# Altium PCB FPGA_SHIELD_MARK1_Single_Side.PcbDoc (part 1 of 3) (continued)
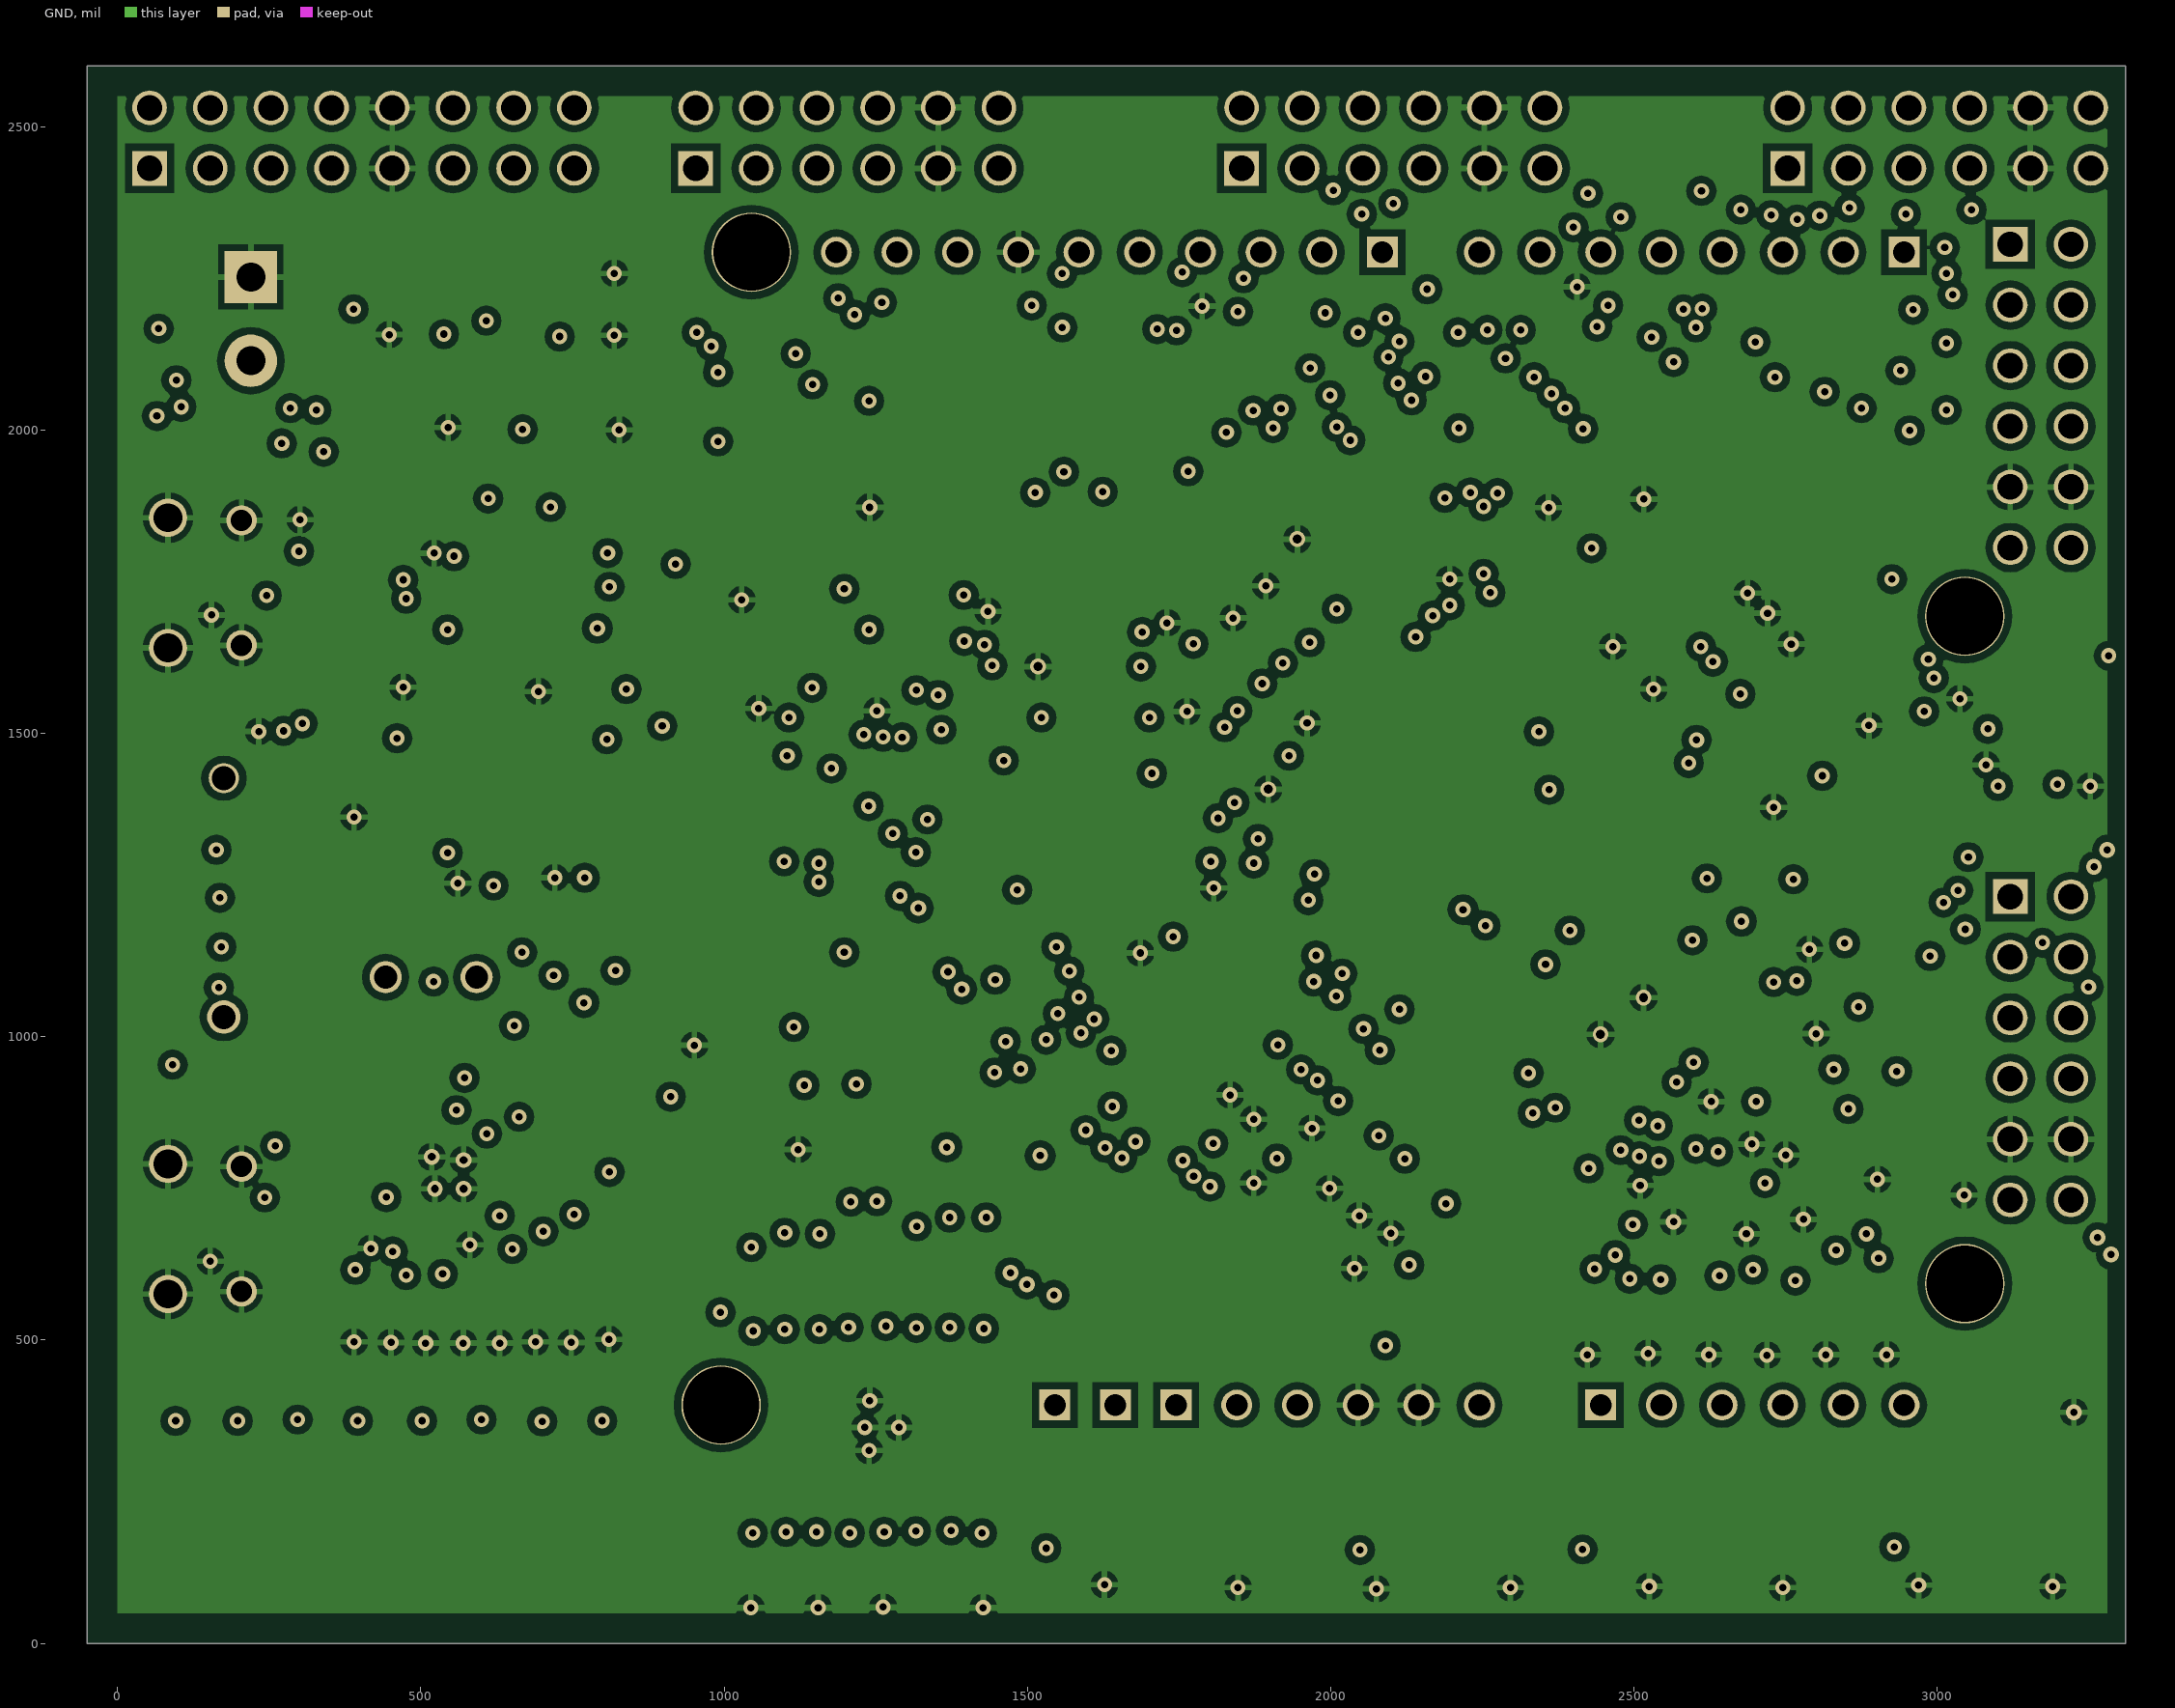
[diagram p3: GND]
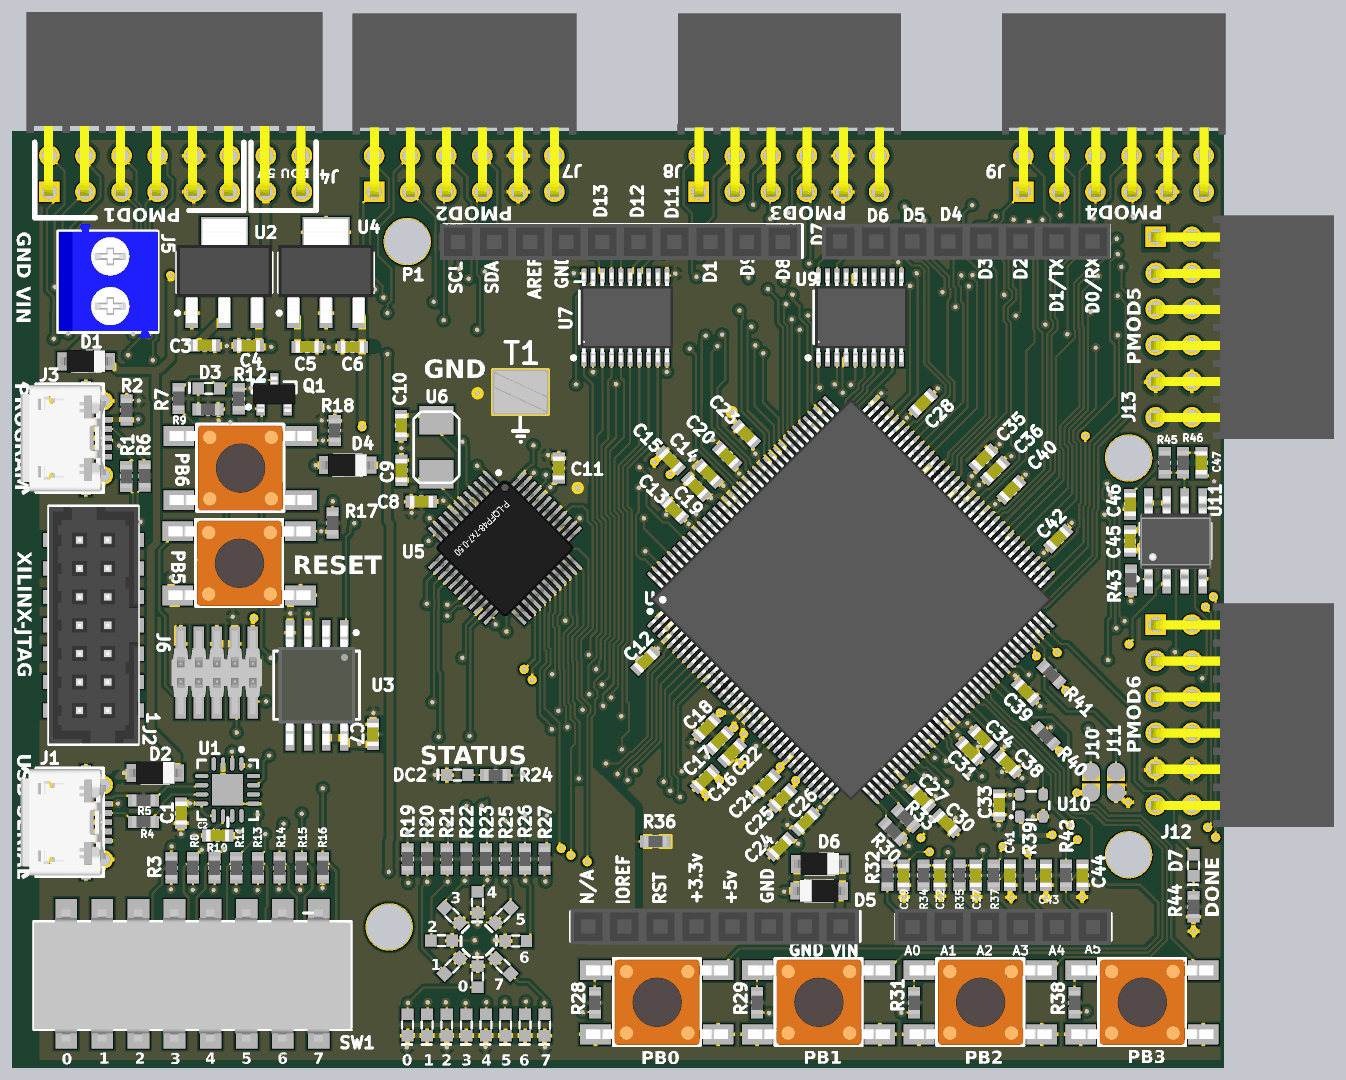
[diagram p6: 3D render of the assembled board from above, using the file's embedded part models]

## Layer stack, top to bottom
Top Layer: signal copper 1.4
Dielectric: core 12.6, FR-4, Dk 4.8
VCC: signal copper 1.4
Dielectric: prepreg 12.6, FR-4, Dk 4.8
GND: signal copper 1.4
Dielectric: core 12.6, FR-4, Dk 4.8
Bottom Layer: signal copper 1.4

## Board outline
-50,0 -50,2600 3310,2600 3310,0

## Design rules (kind name [scope] priority, off if disabled: settings)
Clearance POLY_TO_POLY [inpoly vs inpoly] p1: gap=15
Clearance Poly_TO_ALL [InPoly] p2: gap=12
Clearance [All] p3: gap=6
ComponentClearance LEDS+Mounts [(HasFootprint('LTM-450')) vs (HasFootprint('LED T1-3/4 GREEN - 0.45" STANDOFF') OR HasFootprint('LED T1-3/4 RED -  0.45" STANDOFF'))] p1: gap=0 collisioncheckmode=3 verticalgap=0 showdistances=FALSE
ComponentClearance ComponentClearance_1 [OnLayer('Mechanical 1')] p2: gap=0 collisioncheckmode=3 verticalgap=0 showdistances=FALSE
ComponentClearance [All] p3: gap=10 collisioncheckmode=3 verticalgap=10 showdistances=FALSE
Height [All] p1: minheight=0 maxheight=1500 prefheight=500
HoleSize [All] p1: absolutevalues=TRUE maxlimit=250 minlimit=1 maxpercent=80.000 minpercent=20.000
HoleToHoleClearance [All] p1: gap=2 allowstackedmicrovias=TRUE
MinimumSolderMaskSliver [All] p1: minsoldermaskwidth=0
PlaneClearance [All] p1: clearance=10
PlaneConnect [All] p1: planeconnectstyle=Direct reliefexpansion=20 reliefentries=4 reliefconductorwidth=10 reliefairgap=10
PolygonConnect [All] p1: connectstyle=Relief reliefconductorwidth=10 reliefentries=4 polygonreliefangle="90 Angle" airgapwidth=10
RoutingVias [All] p1: holewidth=12 width=25 viastyle="Through Hole" minholewidth=12 minwidth=25 maxholewidth=25 maxwidth=40
SilkToSilkClearance [All] p1: silktosilkclearance=0
SilkscreenOverComponentPads [All] p1: minsilkscreentomaskgap=0
SolderMaskExpansion vias [isvia and not(locked)] p1: expansion=-100
SolderMaskExpansion [All] p2: expansion=4
Width [All] p1: maxlimit=20 minlimit=6 preferedwidth=14
19 further rules are at their usual default settings.

## Classes and differential pairs
net class FPGA_CFG: FPGA_MODE0 FPGA_MODE1 FPGA_SLAVE_CFG_CCLK FPGA_SLAVE_CFG_DIN FPGA_SUSPEND SLAVE_CFG_DONE SLAVE_CFG_INIT_B SLAVE_CFG_PROG_B
net class USB: USB_DM USB_DP
net class JTAG: TCK TDI TDO TMS
net class PBUS: ADD/D\A\T\A\ PARD PAWR PD0 PD1 PD2 PD3 PD4 PD5 PD6 PD7

## Components (designator, comment, footprint, x,y, rotation, side; value= is the part's Value field where it differs from the comment)
C1 "0.1uF" C0603 418,708 r90 top
C2 "0.1uF" C0603 520,646 r180 top
C3 "0.1uF" C0603 484,2005 r180 top
C4 "0.1uF" C0603 605,2005 r0 top
C5 "4.7uF" C0603 768,2001 r180 top
C6 "4.7uF" C0603 893,2001 r0 top
C7 "0.1uF" C0603 950,927 r270 top
C8 "0.1uF" C0603 1084,1572 r0 top
C9 "18pF" C0603 1029,1659 r270 top
C10 "18pF" C0603 1028,1783 r90 top
C11 "0.1uF" C0603 1465,1665 r270 top
C12 "4.7uF" C0603 1705,1130 r45 top
C13 "4.7uF" C0603 1785,1550 r315 top
C14 "0.47uF" C0603 1880,1650 r315 top
C15 "4.7uF" C0603 1775.23,1686.62 r315 top
C16 "4.7uF" C0603 1870,803 r45 top
C17 "0.47uF" C0603 1910,910 r45 top
C18 "0.47uF" C0603 1875,945 r45 top
C19 "0.47uF" C0603 1846,1613 r315 top
C20 "0.47uF" C0603 1932,1698 r315 top
C21 "4.7uF" C0603 2040,790 r45 top
C22 "4.7uF" C0603 1945,876 r45 top
C23 "0.47uF" C0603 1984,1759 r315 top
C24 "4.7uF" C0603 2080,615 r45 top
C25 "0.47uF" C0603 2085,750 r45 top
C26 "4.7uF" C0603 2150,685 r45 top
C27 "0.47uF" C0603 2470,750 r135 top
C28 "4.7uF" C0603 2475,1845 r225 top
C29 "0.1uF" C0603 2421,536 r270 top
C30 "4.7uF" C0603 2540,680 r135 top
C31 "4.7uF" C0603 2605,880 r135 top
C32 "0.1uF" C0603 2521,536 r270 top
C33 "0.1uF" C0603 2686,731 r90 top
C34 "4.7uF" C0603 2640,915 r135 top
C35 "0.47uF" C0603 2643,1692 r225 top
C36 "4.7uF" C0603 2675,1658 r225 top
C37 "0.1uF" C0603 2621,536 r270 top
C38 "4.7uF" C0603 2710,845 r135 top
C39 "0.47uF" C0603 2760,1045 r135 top
C40 "0.47uF" C0603 2720,1605 r225 top
C41 "0.1uF" C0603 2716,536 r270 top
C42 "0.47uF" C0603 2850,1470 r225 top
C43 "0.1uF" C0603 2816,536 r270 top
C44 "0.1uF" C0603 2917,536 r270 top
C45 "0.1uF" C0603 3049,1463 r270 top
C46 "0.1uF" C0603 3049,1564 r90 top
C47 "0.1uF" C0603 3247,1680 r270 top
D1 "RB161M-20TR" SOD-123 155,1961 r270 top
D2 "RB161M-20TR" SOD-123 347,820 r270 top
D3 "LED 1.6X0.8MM 570NM GRN CLR SMD" "LED_0603 - GREEN" 495,1886 r180 top
D4 "RB161M-20TR" SOD-123 880,1673 r270 top
D5 "RB161M-20TR" SOD-123 2187,493 r90 top
D6 "RB161M-20TR" SOD-123 2189,568 r270 top
D7 "APT1608CGCK" "LED_0603 - GREEN" 3225,564 r270 top
DC1 "LED 1.6X0.8MM 570NM GRN CLR SMD" "LED_0603 - GREEN" 1046,121 r270 top
DC2 "LED 1.6X0.8MM 570NM GRN CLR SMD" "LED_0603 - GREEN" 1184,814 r180 top
DC3 "LED 1.6X0.8MM 570NM GRN CLR SMD" "LED_0603 - GREEN" 1100.29,121 r270 top
DC4 "LED 1.6X0.8MM 570NM GRN CLR SMD" "LED_0603 - GREEN" 1154.57,121 r270 top
DC5 "LED 1.6X0.8MM 570NM GRN CLR SMD" "LED_0603 - GREEN" 1169.29,284.29 r45 top
DC6 "LED 1.6X0.8MM 570NM GRN CLR SMD" "LED_0603 - GREEN" 1140,355 r0 top
DC7 "LED 1.6X0.8MM 570NM GRN CLR SMD" "LED_0603 - GREEN" 1169.29,425.71 r315 top
DC8 "LED 1.6X0.8MM 570NM GRN CLR SMD" "LED_0603 - GREEN" 1208.86,121 r270 top
DC9 "LED 1.6X0.8MM 570NM GRN CLR SMD" "LED_0603 - GREEN" 1263.14,121 r270 top
DC10 "LED 1.6X0.8MM 570NM GRN CLR SMD" "LED_0603 - GREEN" 1240,255 r90 top
DC11 "LED 1.6X0.8MM 570NM GRN CLR SMD" "LED_0603 - GREEN" 1240,461 r270 top
DC12 "LED 1.6X0.8MM 570NM GRN CLR SMD" "LED_0603 - GREEN" 1317.43,121 r270 top
DC13 "LED 1.6X0.8MM 570NM GRN CLR SMD" "LED_0603 - GREEN" 1371.71,121 r270 top
DC14 "LED 1.6X0.8MM 570NM GRN CLR SMD" "LED_0603 - GREEN" 1310.71,284.29 r135 top
DC15 "LED 1.6X0.8MM 570NM GRN CLR SMD" "LED_0603 - GREEN" 1346,354 r180 top
DC16 "LED 1.6X0.8MM 570NM GRN CLR SMD" "LED_0603 - GREEN" 1310.71,425.71 r225 top
DC17 "LED 1.6X0.8MM 570NM GRN CLR SMD" "LED_0603 - GREEN" 1426,121 r270 top
J1 "USB Micro B" "10103594-0001LF - TESTING SMALLER THRU" 140,683 r0 top locked
J2 "87832-1420" 87832-1420 260,993 r90 top locked
J3 "USB Micro B" "10103594-0001LF - TESTING SMALLER THRU" 140,1748 r0 top locked
J4 "SSQ-108-02-G-D-RA-005" "PMOD HEADER8 - SSQ-108-02-G-D-RA" 403,2481 r0 top
J5 "1776275-2" 1776275-2 220,2183 r270 top
J6 "01R3656" FTSH-105-04-F-DV 617,1178 r180 top
J7 "SSQ-106-02-G-D-RA-005" "PMOD HEADER - SSQ-106-02-G-D-RA" 1203,2481 r0 top
J8 "SSQ-106-02-G-D-RA-005" "PMOD HEADER - SSQ-106-02-G-D-RA" 2103,2481 r0 top
J9 "SSQ-106-02-G-D-RA-005" "PMOD HEADER - SSQ-106-02-G-D-RA" 3003,2481 r0 top locked
J10 "Solder Jumper" SOLDER_JUMPER 2940,823 r270 top
J11 "Solder Jumper" SOLDER_JUMPER 3010,823 r270 top
J12 "SSQ-106-02-G-D-RA-005" "PMOD HEADER - SSQ-106-02-G-D-RA" 3170,981 r270 top
J13 "SSQ-106-02-G-D-RA-005" "PMOD HEADER - SSQ-106-02-G-D-RA" 3170,2056 r270 top locked
P1 "Arduino Uno Header" "ARDUINO SHIELD - SMALLER THRU" 1545,393 r90 top locked
PB0 "FSM4JSMA" FSM4JSMA 1737,184 r90 top
PB1 "FSM4JSMA" FSM4JSMA 2185.33,184 r90 top
PB2 "FSM4JSMA" FSM4JSMA 2633.67,184 r90 top
PB3 "FSM4JSMA" FSM4JSMA 3082,184 r90 top
PB5 "FSM4JSMA" FSM4JSMA 579,1401 r90 top
PB6 "FSM4JSMA" FSM4JSMA 582,1665 r90 top
Q1 "NDS352AP" SOT-23 676,1870 r90 top
R1 "33" R0603 266,1642 r270 top
R2 "10k" R0603 267,1826 r270 top
R3 "10k" R0603 391,557 r90 top
R4 "33" R0603 314,684 r0 top
R5 "33" R0603 314,744 r0 top
R6 "33" R0603 317,1643 r270 top
R7 "1.5k" R0603 411,1858 r270 top
R8 "10k" R0603 451,557 r90 top
R9 "200" R0603 493,1828 r180 top
R10 "10k" R0603 511,557 r90 top
R11 "10k" R0603 571,557 r90 top
R12 "10k" R0603 578,1857 r90 top
R13 "10k" R0603 631,557 r90 top
R14 "10k" R0603 691,557 r90 top
R15 "10k" R0603 751,557 r90 top
R16 "10k" R0603 811,557 r90 top
R17 "10k" R0603 838,1513 r270 top
R18 "10k" R0603 844,1769 r270 top
R19 "200" R0603 1046,581 r90 top
R20 "200" R0603 1100.29,581 r90 top
R21 "200" R0603 1154.57,581 r90 top
R22 "200" R0603 1208.86,581 r90 top
R23 "200" R0603 1263.14,581 r90 top
R24 "200" R0603 1290,814 r180 top
R25 "200" R0603 1317.43,581 r90 top
R26 "200" R0603 1371.71,581 r90 top
R27 "200" R0603 1426,581 r90 top
R28 "10k" R0603 1565,183 r270 top
R29 "10k" R0603 2015,183 r270 top
R30 "10k" R0603 2392,658 r315 top
R31 "10k" R0603 2450,183 r270 top
R32 "10k" R0603 2376,536 r270 top
R33 "10k" R0603 2427.06,694.48 r315 top
R34 "10k" R0603 2476,536 r270 top
R35 "10k" R0603 2576,536 r270 top
R36 "0" R0603 1733.53,630 r180 top
R37 "200" R0603 2671,536 r90 top
R38 "10k" R0603 2895,183 r270 top
R39 "200" R0603 2771,536 r90 top
R40 "10k" R0603 2815,923 r135 top
R41 "10k" R0603 2831,1093 r315 top
R42 "200" R0603 2871,536 r90 top
R43 "10k" R0603 3051,1354 r270 top
R44 "200" R0603 3225,449 r270 top
R45 "200" R0603 3145,1680 r270 top
R46 "200" R0603 3196,1680 r90 top
SW1 "ADE08S04" ADE08S04 100,98 r0 top
T1 "PC TEST POINT COMPACT SMT" SMT_TEST 1359,1875.72 r0 top
U1 "FT230XQ" FT230x-QFN65P400X400X80-16L 547,773 r270 top
U2 "LD1117S33CTR" SOT223 538,2207 r90 top
U3 "M25PE16" SOIC127P830X200-8L 795,1063 r270 top
U4 "MCP1826S-1202E/DB" SOT223 820,2207 r90 top
U5 "LPC1343FBD48,151" TSQFP50P900X900X145-48L 1316,1444 r315 top
U6 "12MHz" ABM3 1126,1644 r90 top
U7 "TXB0108PWR" TSSOP20 1650,2083 r90 top
U8 "XC6SLX9-3TQG144C" TQ144_L 2275,1300 r45 top locked
U9 "TXB0108PWR" TSSOP20 2300,2083 r90 top
U10 "ASDMB-50.000MHZ-LC-T" "ASDMB - osc" 2743,699 r0 top
U11 "M25PE40-VMN6TP" "SOIC 8" 3175,1463 r0 top

## Footprints (in the part's own frame and the unit in brackets; to place one, negate y for a bottom-side part, rotate by r counter-clockwise, add the part's x,y. Pads: shape width x height; smd on the part's side, far side on the other; paste and mask are expansions set on the pad)
87832-1420 [mm] "CONN HEADER 14POS 2MM VERT SMD"
  rect 1x2.8 smd: 1(0,0) 2(0,4.3) 3(2,0) 4(2,4.3) 5(4,0) 6(4,4.3) 7(6,0) 8(6,4.3) 9(8,0) 10(8,4.3) 11(10,0) 12(10,4.3) 13(12,0) 14(12,4.3)
  round 1.397 hole 1: M1(1,2.15)
  round 1.27 hole 1: M2(11,2.15)
  silkscreen extent -2.4,-1 14.4,5.3, body extent -2.32,-1 14.32,5.3, height 7.58
1776275-2 [mm] "TE Connectivity 2-pin 3.5mm screw terminal"
  rect 2.2x2.2 hole 1.2: 1(-1.75,0)
  round 2.2 hole 1.2: 2(1.75,0)
  silkscreen extent -3.51,-3.63 3.58,3.38, body extent -4,-3.61 4,3.39, height 8.35
"10103594-0001LF - TESTING SMALLER THRU" [mm] "allow for escape routes on top side next to pads"
  rect 1.4x0.4 smd: 1(1.481,1.3) 2(1.481,0.65) 3(1.481,0) 4(1.481,-0.65) 5(1.481,-1.3)
  rect 2.5x1.425 smd: 5(-1.64,-0.962) 5(-1.64,0.963)
  round 1.6 hole 1.2: 5(-1.44,-2.725) 5(-1.44,2.725)
  rect 0.7x1.425 smd: 5(0.36,-3.3) 5(0.36,3.3)
  round 1.27 hole 0.889: 5(1.64,-2.615) 5(1.64,2.616)
  silkscreen extent -3.14,-3.8 1.59,3.8, body extent -4.24,-4.02 1.79,4.02, height 2.85
ABM3 [mm] "Abracon Crystal 5x3.2mm"
  rect 2x2.4 smd: 1(0.1,0) 2(3.9,0)
  silkscreen extent -0.5,-1.6 4.5,1.6, body extent -0.5,-1.6 4.5,1.6, height 1.3
ADE08S04 [mil] "SWITCH DIP SPST EXT ACT 8POS SMD"
  rect 60x85 smd: A1(0,0) A2(100,0) A3(200,0) A4(300,0) A5(400,0) A6(500,0) A7(600,0) A8(700,0) B1(0,330) B2(100,330) B3(200,330) B4(300,330) B5(400,330) B6(500,330) B7(600,330) B8(700,330)
  silkscreen extent -90,10 790,310, body extent -90,-23 788,343, height 214
"ARDUINO SHIELD - SMALLER THRU" [mil] "Allows more traces inbetween pads"
  rect 51x51 hole 36: A0(0,-100) A1(0,-200) A-1(0,0) B1(0,-900) C1(1900,-1400) D1(1900,-540)
  round 51 hole 36: A2(0,-300) A3(0,-400) A4(0,-500) A5(0,-600) A6(0,-700) B2(0,-1000) B3(0,-1100) B4(0,-1200) B5(0,-1300) B6(0,-1400) C2(1900,-1300) C3(1900,-1200) C4(1900,-1100) C5(1900,-1000) C6(1900,-900) C7(1900,-800) C8(1900,-700) D2(1900,-440) D3(1900,-340) D4(1900,-240) D5(1900,-140) D6(1900,-40) D7(1900,60) D8(1900,160) D9(1900,260) D10(1900,360)
  round 131 hole 126 unplated: M(0,550) M(200,-1500) M(1300,-1500) M(1900,500)
  body extent -50,-1451 1950,409, height 327
"ASDMB - osc" [mm] "oscillator ASDMB - osc footprint"
  rrect50% 0.65x0.85 smd: 1(0,0) 2(1.65,0) 3(1.65,1.55) 4(0,1.55)
  silkscreen extent -0.65,-0.23 2.07,1.78, body extent -0.43,-0.23 2.07,1.76, height 0.76
C0603 [mm] "0603 Generic"
  rect 0.8x0.85 smd: 1(-0.7,0) 2(0.7,0)
  silkscreen extent -0.1,-0.33 0.1,0.33, body extent -0.8,-0.42 0.82,0.4, height 0.46
FSM4JSMA [mil] "SWITCH TACTILE SPST-NO 0.05A 12V"
  rect 55x85 smd: A(-89,170) A(-89,-170) B(89,170) B(89,-170)
  silkscreen extent -119,-120 121,120, body extent -118,-198 118,196, height 200
FT230x-QFN65P400X400X80-16L [mm] "QFN, 16-Leads, Body 4.2x4.2mm (max), Pitch 0.65mm, IPC High Density"
  oval 0.95x0.3 smd: 1(-1.825,0.975) 2(-1.825,0.325) 3(-1.825,-0.325) 4(-1.825,-0.975) 9(1.825,-0.975) 10(1.825,-0.325) 11(1.825,0.325) 12(1.825,0.975)
  oval 0.3x0.95 smd: 5(-0.975,-1.825) 6(-0.325,-1.825) 7(0.325,-1.825) 8(0.975,-1.825) 13(0.975,1.825) 14(0.325,1.825) 15(-0.325,1.825) 16(-0.975,1.825)
  rect 2.2x2.2 smd: 17(0,0)
  silkscreen extent -2.97,-2.1 2.1,2.1, body extent -2.07,-2.07 2.07,2.07, height 0.8
FTSH-105-04-F-DV [mil] "Connector for Cortex Serial Wire Debug"
  rect 29x95 smd: 1(0,0) 2(0,160) 3(50,0) 4(50,160) 5(100,0) 6(100,160) 7(150,0) 8(150,160) 9(200,0) 10(200,160)
  round 53 hole 38 unplated: M(25,80) M(175,80)
  body extent -25,-35 225,195, height 264
"LED_0603 - GREEN" [mm] "LED_0603 - GREEN"
  rect 0.8x0.85 smd: A(-0.75,0) C(0.75,0)
  silkscreen extent -0.25,-0.38 1.37,0.38, body extent -0.8,-0.4 0.8,0.4, height 0.75
"PMOD HEADER8 - SSQ-108-02-G-D-RA" [mil]
  rect 57x57 hole 42: 1(-350,-50)
  round 57 hole 42: 2(-250,-50) 3(-150,-50) 4(-50,-50) 5(50,-50) 6(150,-50) 7(-350,50) 8(-250,50) 9(-150,50) 10(-50,50) 11(50,50) 12(150,50) 13(250,-50) 14(350,-50) 15(250,50) 16(350,50)
  body extent -413,-60 407,448, height 200
"PMOD HEADER - SSQ-106-02-G-D-RA" [mil]
  rect 57x57 hole 42: 1(-250,-50)
  round 57 hole 42: 2(-150,-50) 3(-50,-50) 4(50,-50) 5(150,-50) 6(250,-50) 7(-250,50) 8(-150,50) 9(-50,50) 10(50,50) 11(150,50) 12(250,50)
  body extent -309,-64 311,444, height 200
R0603 [mm] "0603 Generic"
  rect 0.8x0.85 smd: 1(-0.7,0) 2(0.7,0)
  silkscreen extent -0.1,-0.33 0.1,0.33, body extent -0.81,-0.41 0.81,0.41, height 0.46
SMT_TEST [mil] "SMT_TEST"
  rect 155x125 smd: 1(0,0)
  body extent -75,-60 75,60, height 90
SOD-123 [mm] "SOD-123"
  rect 1.2x0.85 smd: 1(0,1.6)
  rect 1.27x0.85 smd: 2(0,-1.6)
  silkscreen extent -0.69,-1 0.71,1, body extent -0.8,-1.85 0.8,1.85, height 1.28
SOIC127P830X200-8L [mm] "SOIC, 8-Leads, Body 6.1x6.2mm (max), Pitch 1.27mm, IPC High Density"
  rect 1.8x0.6 smd: 1(-3.7,1.905) 2(-3.7,0.635) 3(-3.7,-0.635) 4(-3.7,-1.905) 5(3.7,-1.905) 6(3.7,-0.635) 7(3.7,0.635) 8(3.7,1.905)
  silkscreen extent -3.82,-3.05 2.4,3, body extent -4.2,-2.7 4.2,2.68, height 2.3
"SOIC 8" [mm]
  rect 0.6x2.05 smd: 1(-1.905,-2.675) 2(-0.635,-2.675) 3(0.635,-2.675) 4(1.905,-2.675) 5(1.905,2.675) 6(0.635,2.675) 7(-0.635,2.675) 8(-1.905,2.675)
  silkscreen extent -2.88,-2.8 2.5,1.25, body extent -2.49,-3.19 2.51,3.14, height 1.88
SOLDER_JUMPER [mil]
  round 50 smd: 1(0,0) 2(58,0)
  Top Layer region: 0,-25 25,-25 25,25 0,25
  Top Layer region: 33,-25 58,-25 58,25 33,25
SOT223 [mm] "SOT223, 4-Leads, Body 6.7x7.3mm (max), Pitch 2.30mm, IPC High Density"
  rect 2.1x0.9 smd: 1(-2.85,2.3) 2(-2.85,0) 3(-2.85,-2.3)
  rect 2.1x3.3 smd: 4(2.85,0)
  silkscreen extent -2.97,-3.35 1.4,3.42, body extent -3.54,-3.35 3.76,3.35, height 1.75
SOT-23 [mm] "SOT-23"
  rect 1.2x0.6 smd: 1(-0.9,0.95) 2(-0.9,-0.95) 3(0.9,0)
  silkscreen extent -1.02,-1.55 0.87,1.92, body extent -1.27,-1.5 1.23,1.5, height 1.07
TQ144_L [mm] "Thin QFP, 144-Leads, Body 20x20mm, Pitch 0.5mm, IPC High Density"
  rect 1.5x0.25 smd: 1(-10.7,8.75) 2(-10.7,8.25) 3(-10.7,7.75) 4(-10.7,7.25) 5(-10.7,6.75) 6(-10.7,6.25) 7(-10.7,5.75) 8(-10.7,5.25) 9(-10.7,4.75) 10(-10.7,4.25) 11(-10.7,3.75) 12(-10.7,3.25) 13(-10.7,2.75) 14(-10.7,2.25) 15(-10.7,1.75) 16(-10.7,1.25) 17(-10.7,0.75) 18(-10.7,0.25) 19(-10.7,-0.25) 20(-10.7,-0.75) 21(-10.7,-1.25) 22(-10.7,-1.75) 23(-10.7,-2.25) 24(-10.7,-2.75) 25(-10.7,-3.25) 26(-10.7,-3.75) 27(-10.7,-4.25) 28(-10.7,-4.75) 29(-10.7,-5.25) 30(-10.7,-5.75) 31(-10.7,-6.25) 32(-10.7,-6.75) 33(-10.7,-7.25) 34(-10.7,-7.75) 35(-10.7,-8.25) 36(-10.7,-8.75) 73(10.7,-8.75) 74(10.7,-8.25) 75(10.7,-7.75) 76(10.7,-7.25) 77(10.7,-6.75) 78(10.7,-6.25) 79(10.7,-5.75) 80(10.7,-5.25) 81(10.7,-4.75) 82(10.7,-4.25) 83(10.7,-3.75) 84(10.7,-3.25) 85(10.7,-2.75) 86(10.7,-2.25) 87(10.7,-1.75) 88(10.7,-1.25) 89(10.7,-0.75) 90(10.7,-0.25) 91(10.7,0.25) 92(10.7,0.75) 93(10.7,1.25) 94(10.7,1.75) 95(10.7,2.25) 96(10.7,2.75) 97(10.7,3.25) 98(10.7,3.75) 99(10.7,4.25) 100(10.7,4.75) 101(10.7,5.25) 102(10.7,5.75) 103(10.7,6.25) 104(10.7,6.75) 105(10.7,7.25) 106(10.7,7.75) 107(10.7,8.25) 108(10.7,8.75)
  rect 0.25x1.5 smd: 37(-8.75,-10.7) 38(-8.25,-10.7) 39(-7.75,-10.7) 40(-7.25,-10.7) 41(-6.75,-10.7) 42(-6.25,-10.7) 43(-5.75,-10.7) 44(-5.25,-10.7) 45(-4.75,-10.7) 46(-4.25,-10.7) 47(-3.75,-10.7) 48(-3.25,-10.7) 49(-2.75,-10.7) 50(-2.25,-10.7) 51(-1.75,-10.7) 52(-1.25,-10.7) 53(-0.75,-10.7) 54(-0.25,-10.7) 55(0.25,-10.7) 56(0.75,-10.7) 57(1.25,-10.7) 58(1.75,-10.7) 59(2.25,-10.7) 60(2.75,-10.7) 61(3.25,-10.7) 62(3.75,-10.7) 63(4.25,-10.7) 64(4.75,-10.7) 65(5.25,-10.7) 66(5.75,-10.7) 67(6.25,-10.7) 68(6.75,-10.7) 69(7.25,-10.7) 70(7.75,-10.7) 71(8.25,-10.7) 72(8.75,-10.7) 109(8.75,10.7) 110(8.25,10.7) 111(7.75,10.7) 112(7.25,10.7) 113(6.75,10.7) 114(6.25,10.7) 115(5.75,10.7) 116(5.25,10.7) 117(4.75,10.7) 118(4.25,10.7) 119(3.75,10.7) 120(3.25,10.7) 121(2.75,10.7) 122(2.25,10.7) 123(1.75,10.7) 124(1.25,10.7) 125(0.75,10.7) 126(0.25,10.7) 127(-0.25,10.7) 128(-0.75,10.7) 129(-1.25,10.7) 130(-1.75,10.7) 131(-2.25,10.7) 132(-2.75,10.7) 133(-3.25,10.7) 134(-3.75,10.7) 135(-4.25,10.7) 136(-4.75,10.7) 137(-5.25,10.7) 138(-5.75,10.7) 139(-6.25,10.7) 140(-6.75,10.7) 141(-7.25,10.7) 142(-7.75,10.7) 143(-8.25,10.7) 144(-8.75,10.7)